# Altium PCB Fastino-DIOT.PCBDOC (part 14 of 22) (continued)
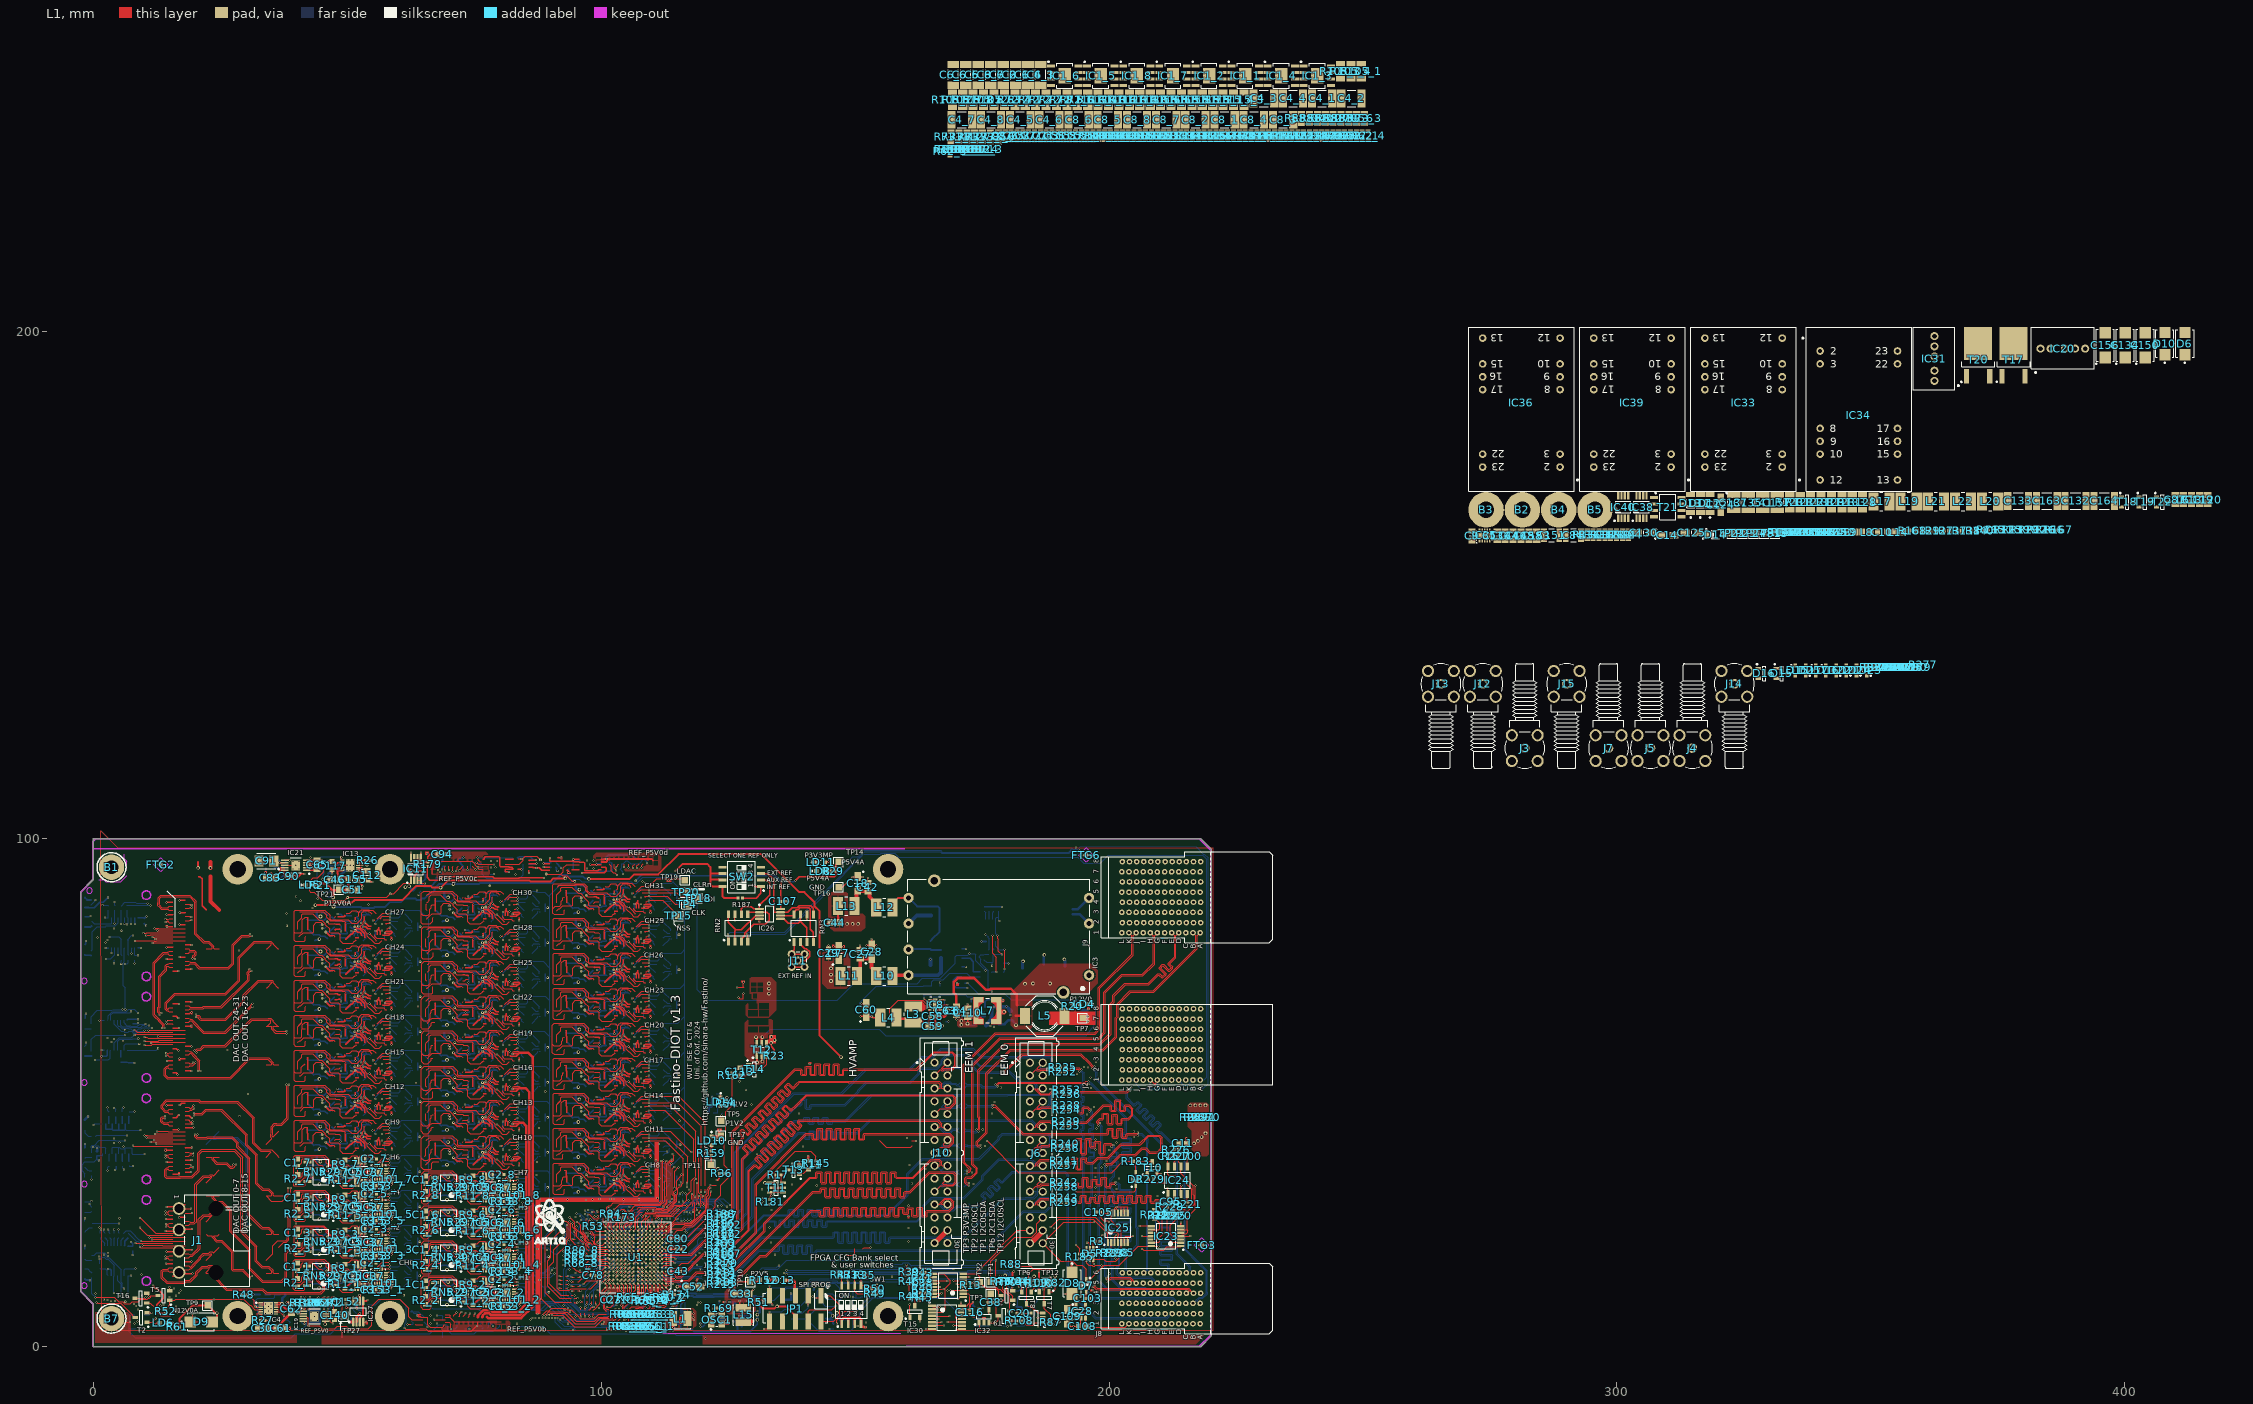
[diagram p0: L1 view]
## Nets (pads, with @x,y where several pads share a name; then routed paths per layer and width w, separated by ;. In a path a pad name is that pad's centre, name@x,y a point inside that pad or via, vN(x,y) a via of type N, cw(c..) or ccw(c..) an arc to the next point about the centre after c; other vN are vias at no path point) (continued)
76.106,55.147 77.013,55.147 77.125,55.035 77.125,54.966 77.359,54.731 ; 74.939,61.577 74.99,61.526 75.599,61.526 76.106,62.033 77.013,62.033 77.125,61.922 77.125,61.852 77.359,61.618 ; 74.939,68.464 74.99,68.413 75.599,68.413 76.106,68.92 77.013,68.92 77.125,68.808 77.125,68.739 77.359,68.504 ; 74.939,75.333 74.989,75.282 75.599,75.282 76.106,75.789 77.013,75.789 77.125,75.677 77.125,75.608 77.359,75.374 ; 74.939,82.219 74.989,82.169 75.599,82.169 76.106,82.676 77.013,82.676 77.125,82.564 77.125,82.495 77.359,82.26 ; 74.939,89.106 74.989,89.055 75.599,89.055 76.106,89.562 77.013,89.562 77.125,89.451 77.125,89.381 77.359,89.147 ; v1@75.641,96.101 75.752,95.99 75.752,95.8 75.889,95.663 75.959,95.663 76.117,95.504 76.327,95.504 ; 76.561,74.493 76.613,74.441 ; 76.561,81.38 76.613,81.328 ; 76.561,88.266 76.613,88.215 ; 76.561,40.077 76.613,40.026 ; 76.561,46.964 76.613,46.912 ; 76.561,53.851 76.613,53.799 ; 76.561,60.737 76.613,60.686 ; 76.561,67.624 76.613,67.572 ; v2@76.691,37.53 v2@76.742,37.53 ; v2@76.691,44.417 v2@76.742,44.417 ; v2@76.691,51.303 v2@76.742,51.303 ; v2@76.691,58.19 v2@76.742,58.19 ; v2@76.691,65.076 v2@76.742,65.076 ; v2@76.691,71.946 v2@76.741,71.946 ; v2@76.691,78.832 v2@76.741,78.832 ; v2@76.691,85.719 v2@76.741,85.719 ; 76.788,35.627 76.871,35.544 ; 76.788,42.514 76.871,42.431 ; 76.788,49.4 76.871,49.318 ; 76.788,56.287 76.871,56.204 ; 76.788,63.174 76.871,63.091 ; 76.788,70.043 76.871,69.96 ; 76.788,76.929 76.871,76.847 ; 76.788,83.816 76.871,83.733 ; 77.198,74.687 77.359,74.849 77.359,75.374 ; 77.198,81.574 77.359,81.735 77.359,82.26 ; 77.198,88.46 77.359,88.622 77.359,89.147 ; 77.198,40.271 77.359,40.433 77.359,40.958 ; 77.198,47.158 77.359,47.32 77.359,47.845 ; 77.198,54.045 77.359,54.206 77.359,54.731 ; 77.198,60.931 77.359,61.093 77.359,61.618 ; 77.198,67.818 77.359,67.979 77.359,68.504 ; 78.498,39.509 78.498,40.271 78.659,40.433 ; 78.498,46.396 78.498,47.158 78.659,47.32 ; 78.498,53.282 78.498,54.045 78.659,54.206 ; 78.498,60.169 78.498,60.931 78.659,61.093 ; 78.498,67.055 78.498,67.818 78.659,67.979 ; 78.498,73.925 78.498,74.687 78.659,74.849 ; 78.498,80.811 78.498,81.574 78.659,81.735 ; 78.498,87.698 78.498,88.46 78.659,88.622 ; 79.555,72.793 79.714,72.793 ; 79.555,79.679 79.714,79.679 ; 79.555,86.566 79.714,86.566 ; 79.555,38.377 79.714,38.377 ; 79.555,45.264 79.714,45.264 ; 79.555,52.15 79.714,52.15 ; 79.555,59.037 79.714,59.037 ; 79.555,65.924 79.714,65.924 ; 79.714,38.403 79.79,38.403 ; 79.714,45.289 79.79,45.289 ; 79.714,52.176 79.79,52.176 ; 79.714,59.062 79.79,59.062 ; 79.714,65.949 79.79,65.949 ; 79.714,72.818 79.79,72.818 ; 79.714,79.705 79.79,79.705 ; 79.714,86.591 79.79,86.591 ; 79.968,40.765 79.722,41.011 79.722,41.08 79.572,41.229 79.361,41.229 79.217,41.373 78.355,41.373 78.244,41.262 78.244,41.192 78.009,40.958 78.009,39.908 77.775,39.673 77.775,39.604 77.081,38.911 75.987,38.911 75.258,39.639 71.824,39.639 71.713,39.751 71.713,40.486 70.697,41.501 65.123,41.501 64.541,40.919 64.541,37.122 ; 79.968,47.651 79.722,47.898 79.722,47.966 79.572,48.116 79.361,48.116 79.217,48.26 78.355,48.26 78.244,48.148 78.244,48.079 78.009,47.845 78.009,46.795 77.775,46.56 77.775,46.491 77.081,45.797 75.987,45.797 75.258,46.526 71.824,46.526 71.713,46.638 71.713,47.372 70.769,48.316 65.054,48.316 64.541,47.803 64.541,43.891 ; 79.968,54.538 79.722,54.785 79.722,54.853 79.572,55.003 79.361,55.003 79.217,55.147 78.355,55.147 78.244,55.035 78.244,54.966 78.009,54.731 78.009,53.681 77.775,53.447 77.775,53.377 77.081,52.684 75.987,52.684 75.258,53.413 71.824,53.413 71.713,53.524 71.713,54.259 70.746,55.226 65.162,55.226 64.592,54.656 64.592,50.844 ; 79.968,61.425 79.722,61.671 79.722,61.74 79.572,61.889 79.361,61.889 79.217,62.033 78.355,62.033 78.244,61.922 78.244,61.852 78.009,61.618 78.009,60.568 77.775,60.333 77.775,60.264 77.081,59.57 75.987,59.57 75.258,60.299 71.824,60.299 71.713,60.411 71.713,61.146 70.697,62.161 65.184,62.161 64.668,61.646 64.668,57.655 ; 79.968,68.311 79.722,68.558 79.722,68.626 79.572,68.776 79.361,68.776 79.217,68.92 78.355,68.92 78.244,68.808 78.244,68.739 78.009,68.504 78.009,67.454 77.775,67.22 77.775,67.15 77.081,66.457 75.987,66.457 75.258,67.186 71.824,67.186 71.713,67.297 71.713,68.032 70.697,69.048 65.211,69.048 64.765,68.602 64.765,68.58 64.516,68.331 64.516,64.668 ; 79.968,75.18 79.721,75.427 79.721,75.495 79.572,75.645 79.361,75.645 79.217,75.789 78.355,75.789 78.244,75.677 78.244,75.608 78.009,75.374 78.009,74.324 77.775,74.089 77.775,74.02 77.081,73.326 75.986,73.326 75.258,74.055 71.824,74.055 71.713,74.167 71.713,74.901 70.697,75.917 65.097,75.917 64.618,75.438 64.618,71.399 ; 79.968,82.067 79.721,82.314 79.721,82.382 79.572,82.532 79.361,82.532 79.217,82.676 78.355,82.676 78.244,82.564 78.244,82.495 78.009,82.26 78.009,81.21 77.775,80.976 77.775,80.906 77.081,80.213 75.986,80.213 75.258,80.942 71.824,80.942 71.713,81.053 71.713,81.788 70.794,82.707 70.535,82.707 70.514,82.727 65.049,82.727 64.618,82.296 64.618,78.283 ; 79.968,88.954 79.721,89.2 79.721,89.268 79.572,89.418 79.361,89.418 79.217,89.562 78.355,89.562 78.244,89.451 78.244,89.381 78.009,89.147 78.009,88.097 77.775,87.862 77.775,87.793 77.081,87.099 75.986,87.099 75.258,87.828 71.824,87.828 71.713,87.94 71.713,88.675 70.697,89.69 66.671,89.69 66.583,89.602 66.259,89.602 66.171,89.69 65.001,89.69 64.541,89.23 64.541,85.242 ; 79.992,35.471 80.403,35.06 80.403,35.053 ; 79.992,42.358 80.403,41.947 80.403,41.94 ; 79.992,49.244 80.403,48.833 80.403,48.826 ; 79.992,56.131 80.403,55.72 80.403,55.713 ; 79.992,63.018 80.403,62.607 80.403,62.599 ; 79.992,69.887 80.403,69.476 80.403,69.469 ; 79.992,76.773 80.403,76.362 80.403,76.355 ; 79.992,83.66 80.403,83.249 80.403,83.242 ; 80.56,36.402 80.56,36.622 ; v3@80.56,38.933 v3@80.695,38.799 ; 80.56,43.289 80.56,43.508 ; v3@80.56,45.82 v3@80.695,45.685 ; 80.56,50.176 80.56,50.395 ; v3@80.56,52.707 v3@80.695,52.572 ; 80.56,57.062 80.56,57.282 ; v3@80.56,59.593 v3@80.695,59.458 ; 80.56,63.949 80.56,64.168 ; v3@80.56,66.48 v3@80.695,66.345 ; 80.56,70.818 80.56,71.037 ; v3@80.56,73.349 v3@80.695,73.214 ; 80.56,77.705 80.56,77.924 ; v3@80.56,80.236 v3@80.695,80.101 ; 80.56,84.591 80.56,84.811 ; v3@80.56,87.122 v3@80.695,86.987 ; 80.806,40.943 80.69,40.943 80.131,41.501 79.448,41.501 79.322,41.627 77.959,41.627 77.594,41.262 77.594,41.192 77.359,40.958 ; 80.806,47.829 80.69,47.829 80.131,48.388 79.448,48.388 79.322,48.514 77.959,48.514 77.594,48.148 77.594,48.079 77.359,47.845 ; 80.806,54.716 80.69,54.716 80.131,55.275 79.448,55.275 79.322,55.401 77.959,55.401 77.594,55.035 77.594,54.966 77.359,54.731 ; 80.806,61.602 80.69,61.602 80.131,62.161 79.448,62.161 79.322,62.287 77.959,62.287 77.594,61.922 77.594,61.852 77.359,61.618 ; 80.806,68.489 80.69,68.489 80.131,69.048 79.448,69.048 79.322,69.174 77.959,69.174 77.594,68.808 77.594,68.739 77.359,68.504 ; 80.806,75.358 80.69,75.358 80.131,75.917 79.448,75.917 79.322,76.043 77.959,76.043 77.594,75.677 77.594,75.608 77.359,75.374 ; 80.806,82.245 80.69,82.245 80.131,82.804 79.448,82.804 79.322,82.93 77.959,82.93 77.594,82.564 77.594,82.495 77.359,82.26 ; 80.806,89.131 80.69,89.131 80.131,89.69 79.448,89.69 79.322,89.816 77.959,89.816 77.594,89.451 77.594,89.381 77.359,89.147 ; 81.035,39.828 82.099,40.892 v1(83.499,40.892) ; 81.035,46.715 82.099,47.778 v1(83.499,47.778) ; 81.035,53.601 82.099,54.665 v1(83.499,54.665) ; 81.035,60.488 82.099,61.552 v1(83.499,61.552) ; 81.035,67.374 82.099,68.438 v1(83.499,68.438) ; 81.035,74.244 82.099,75.307 v1(83.498,75.307) ; 81.035,81.13 82.099,82.194 v1(83.498,82.194) ; 81.035,88.017 82.099,89.081 83.397,89.081 v1(83.448,89.03) ; 81.851,35.471 81.851,35.451 ; 81.851,42.358 81.851,42.338 ; 81.851,49.244 81.851,49.224 ; 81.851,56.131 81.851,56.111 ; 81.851,63.018 81.851,62.998 ; 81.851,69.887 81.851,69.867 ; 81.851,76.773 81.851,76.753 ; 81.851,83.66 81.851,83.64 ; 82.178,39.647 v1(83.499,39.647) ; 82.178,46.534 v1(83.499,46.534) ; 82.178,53.42 v1(83.499,53.42) ; 82.178,60.307 v1(83.499,60.307) ; 82.178,67.194 v1(83.499,67.194) ; 82.178,74.063 v1(83.498,74.063) ; 82.178,80.949 v1(83.498,80.949) ; 82.178,87.836 v1(83.498,87.836) ; 82.56,37.292 82.64,37.372 82.81,37.372 ; 82.56,44.179 82.64,44.258 82.81,44.258 ; 82.56,51.065 82.64,51.145 82.81,51.145 ; 82.56,57.952 82.64,58.032 82.81,58.032 ; 82.56,64.838 82.64,64.918 82.81,64.918 ; 82.56,71.708 82.64,71.787 82.81,71.787 ; 82.56,78.594 82.64,78.674 82.81,78.674 ; 82.56,85.481 82.64,85.561 82.81,85.561 ; 82.608,35.674 82.855,35.674 ; 82.608,42.561 82.855,42.561 ; 82.608,49.448 82.855,49.448 ; 82.608,56.334 82.855,56.334 ; 82.608,63.221 82.855,63.221 ; 82.608,70.09 82.855,70.09 ; 82.608,76.977 82.855,76.977 ; 82.608,83.863 82.855,83.863 ; 82.737,38.86 82.782,38.905 v1@83.343,38.905 ; 82.737,45.746 82.782,45.792 v1@83.343,45.792 ; 82.737,52.633 82.782,52.678 v1@83.343,52.678 ; 82.737,59.52 82.782,59.565 v1@83.343,59.565 ; 82.737,66.406 82.782,66.451 v1@83.343,66.451 ; 82.736,73.275 82.782,73.321 v1@83.343,73.321 ; 82.736,80.162 82.782,80.207 v1@83.343,80.207 ; 82.736,87.049 82.782,87.094 v1@83.343,87.094 ; 82.81,38.872 82.843,38.839 ; 82.81,45.758 82.843,45.725 ; 82.81,52.645 82.843,52.612 ; 82.81,59.532 82.843,59.499 ; 82.81,66.418 82.843,66.385 ; 82.81,73.287 82.843,73.254 ; 82.81,80.174 82.843,80.141 ; 82.81,87.061 82.843,87.028 ; 82.889,37.895 83.13,37.895 83.306,38.071 83.446,38.071 v1(83.499,38.123) ; 82.889,44.781 83.13,44.781 v1@83.306,44.958 ; 82.889,51.668 83.13,51.668 83.306,51.844 83.446,51.844 v1(83.499,51.896) ; 82.889,58.554 83.13,58.554 83.306,58.731 83.446,58.731 v1(83.499,58.783) ; 82.889,65.441 83.13,65.441 83.306,65.617 83.446,65.617 v1(83.499,65.67) ; 82.889,72.31 83.13,72.31 v1@83.306,72.487 ; 82.889,79.197 83.13,79.197 83.306,79.373 83.446,79.373 v1(83.498,79.425) ; 82.889,86.083 83.13,86.083 v1@83.306,86.26 ; v1(83.82,35.7) 83.82,36.324 ; v1(83.82,42.586) 83.82,43.21 ; v1(83.82,49.473) 83.82,50.097 ; v1(83.82,56.36) 83.82,56.984 ; v1(83.82,63.246) 83.82,63.87 ; v1(83.82,70.115) 83.82,70.739 ; v1(83.82,77.002) 83.82,77.626 ; v1(83.82,83.906) 83.82,84.513 ; v1(88.392,6.147) 89.316,7.071 89.773,7.071 90.281,7.579 92.948,7.579 93.297,7.23 93.672,7.23 93.691,7.248 94.142,7.248 95.336,6.055 95.336,6.042 95.901,5.477 98.638,5.477 99.484,6.323 100.954,6.323 100.954,6.31 101.016,6.248 ; v1(89.027,6.147) 89.697,6.817 92.605,6.817 92.624,6.798 93.277,6.798 95.05,5.025 98.7,5.025 99.476,5.801 101.33,5.801 101.742,6.212 101.767,6.212 101.803,6.248 ; v1@89.687,6.198 90.052,6.563 92.5,6.563 92.519,6.544 92.846,6.544 94.89,4.5 98.75,4.5 99.797,5.547 102.194,5.547 102.636,5.989 102.636,6.26 ; v1(90.272,6.172) 92.453,6.172 94.675,3.95 98.85,3.95 100.193,5.293 102.758,5.293 103.429,5.963 103.429,6.248 ; v1(90.704,23.101) 89.25,21.646 89.25,21.122 88.941,20.814 88.941,10.582 90.823,8.7 94.125,8.7 ; 90.857,64.442 92.525,64.442 92.702,64.62 92.702,65.28 92.829,65.407 ; 90.907,64.44 90.774,64.44 90.564,64.65 90.564,66.25 ; 91.211,50.669 92.525,50.669 92.702,50.847 92.702,51.507 92.829,51.634 ; 91.211,50.673 90.768,50.673 90.564,50.877 90.564,52.477 ; 91.628,90.822 91.389,90.583 91.389,90.504 91.429,90.543 91.706,90.82 ; 91.666,35.807 94.874,35.807 94.878,35.811 96.235,35.811 96.915,35.132 96.915,34.705 97.594,34.025 99.901,34.025 99.949,33.977 100.393,33.977 100.653,33.718 ; 91.666,42.694 94.874,42.694 94.878,42.698 96.235,42.698 96.915,42.018 96.915,41.591 97.594,40.912 99.901,40.912 99.949,40.864 100.393,40.864 100.653,40.604 ; 91.666,49.58 94.874,49.58 94.878,49.584 96.235,49.584 96.915,48.905 96.915,48.478 97.594,47.798 99.901,47.798 99.949,47.75 100.393,47.75 100.653,47.491 ; 91.666,56.467 94.874,56.467 94.878,56.471 96.235,56.471 96.915,55.791 96.915,55.364 97.594,54.685 99.901,54.685 99.949,54.637 100.393,54.637 100.653,54.378 ; 91.666,63.353 94.874,63.353 94.878,63.357 96.235,63.357 96.915,62.678 96.915,62.251 97.594,61.571 99.901,61.571 99.949,61.524 100.393,61.524 100.653,61.264 ; 91.666,70.24 94.874,70.24 94.878,70.244 96.235,70.244 96.915,69.565 96.915,69.137 97.594,68.458 99.901,68.458 99.949,68.41 100.393,68.41 100.653,68.151 ; 91.666,77.127 94.874,77.127 94.878,77.131 96.235,77.131 96.915,76.451 96.915,76.024 97.594,75.345 99.901,75.345 99.949,75.297 100.393,75.297 100.653,75.037 ; 91.666,84.013 94.874,84.013 94.878,84.017 96.235,84.017 96.915,83.338 96.915,82.911 97.594,82.231 99.901,82.231 99.949,82.183 100.393,82.183 100.653,81.924 ; 91.666,90.9 94.874,90.9 94.878,90.904 96.389,90.904 96.915,90.378 96.915,89.797 97.594,89.118 99.901,89.118 99.949,89.07 100.393,89.07 100.653,88.81 ; v1(91.745,13.081) 91.757,13.068 92.342,13.068 ; v1(91.745,13.868) 91.758,13.881 92.367,13.881 ; v1(91.77,12.294) 91.783,12.281 92.342,12.281 ; v1(91.821,11.557) 91.872,11.506 92.253,11.506 ; 92.14,87.654 92.442,87.955 92.442,88.356 92.592,88.506 92.702,88.506 ; 92.151,87.655 92.151,87.065 91.839,86.753 90.949,86.753 90.449,86.253 ; 92.38,60.35 92.188,60.158 92.188,59.606 91.833,59.252 90.676,59.252 90.399,59.529 ; 92.382,60.349 92.442,60.409 92.442,60.809 92.592,60.959 92.702,60.959 ; v1(92.48,23.276) 90.065,20.862 90.065,17.543 89.425,16.902 89.425,11.9 91.825,9.5 94.1,9.5 ; v1(92.532,17.907) 92.558,17.932 93.091,17.932 ; v1(92.554,16.049) 92.581,16.076 93.191,16.076 93.218,16.104 ; v1(92.558,17.04) 92.58,17.018 93.116,17.018 ; 92.558,37.922 92.442,37.806 92.442,37.12 92.304,36.982 90.685,36.982 90.564,37.104 90.564,38.704 ; v1(92.608,18.771) 92.634,18.745 93.091,18.745 ; 92.634,53.95 92.468,53.95 92.442,53.923 92.442,53.555 92.188,53.301 92.188,52.72 91.833,52.365 90.676,52.365 90.564,52.477 ; 92.678,34.77 93.153,34.77 ; 92.678,55.429 93.153,55.429 ; v1(92.705,24.751) 92.757,24.699 93.076,24.699 93.667,24.108 93.667,21.39 93.188,20.911 93.188,19.995 91.354,18.161 91.354,11.471 91.761,11.065 93.737,11.065 94.047,11.375 97.025,11.375 ; 92.829,30.975 92.702,30.848 92.702,30.187 92.525,30.009 90.721,30.009 90.564,30.166 90.564,31.817 ; 92.829,44.748 92.702,44.621 92.702,43.96 92.525,43.783 90.772,43.783 90.564,43.99 90.564,45.59 ; 92.829,58.521 92.702,58.394 92.702,57.733 92.525,57.556 90.721,57.556 90.399,57.878 90.399,59.529 ; 92.829,72.294 92.702,72.167 92.702,71.507 92.525,71.329 90.721,71.329 90.564,71.486 90.564,73.137 ; 92.829,79.181 92.702,79.054 92.702,78.393 92.525,78.215 90.721,78.215 90.628,78.309 90.564,78.371 90.564,80.023 ; 92.829,86.067 92.702,85.94 92.702,85.28 92.525,85.102 90.857,85.102 90.721,85.102 90.449,85.374 90.449,86.253 ; 93.041,62.204 93.153,62.316 ; 93.041,89.75 93.153,89.862 ; 93.066,33.477 92.656,33.477 92.442,33.263 92.442,32.904 92.188,32.65 92.188,32.06 91.833,31.706 90.676,31.706 90.564,31.817 ; 93.153,41.656 92.678,41.656 92.138,41.116 92.138,38.896 91.833,38.592 90.676,38.592 90.564,38.704 ; 93.153,48.543 92.678,48.543 92.138,48.002 92.138,45.783 91.833,45.479 90.676,45.479 90.564,45.59 ; 93.153,69.203 92.678,69.203 92.138,68.662 92.138,66.443 91.786,66.091 90.723,66.091 90.564,66.25 ; 93.153,76.089 92.678,76.089 92.138,75.549 92.138,73.329 91.833,73.025 90.676,73.025 90.564,73.137 ; 93.153,82.976 92.678,82.976 92.138,82.435 92.138,80.216 91.833,79.912 90.676,79.912 90.564,80.023 ; v1(93.276,23.947) 93.276,21.676 90.625,19.025 90.625,16.7 89.757,15.832 89.757,12.343 92,10.1 93.65,10.1 ; v1(93.743,24.589) 93.743,24.515 93.969,24.289 93.969,21.002 95.127,19.844 96.447,19.844 96.821,19.47 96.821,18.606 97.29,18.137 97.29,17.903 97.469,17.725 97.575,17.725 ; v1(93.8,25.45) 94.775,24.475 94.775,23.443 96.135,22.083 96.144,22.083 96.465,21.762 96.465,21.539 96.74,21.264 96.74,20.881 97.206,20.415 97.206,20.041 97.329,19.919 97.329,19.746 97.575,19.5 97.625,19.5 ; v1(94.132,12.802) 94.158,12.776 94.59,12.776 ; v1(94.158,11.913) 94.17,11.9 94.704,11.9 ; v1(94.183,13.691) 94.196,13.678 94.602,13.678 94.64,13.64 ; v1(94.209,10.984) 94.228,11.004 94.646,11.004 94.666,11.024 ; v1(94.36,24.257) 94.36,23.468 95.216,22.612 95.216,21.638 96.188,20.665 96.489,20.665 96.952,20.202 96.952,19.936 97.075,19.814 97.075,19.275 97.5,18.85 97.55,18.85 ; v1(94.635,22.641) 94.635,22.619 94.9,22.353 94.9,21.725 ; v1(95.91,8.865) 96.368,8.865 ; v1(95.987,5.944) 95.987,6.553 ; v1(96.799,5.969) 96.799,6.603 ; v2(97.029,54.49) 97.385,54.134 98.553,54.134 ; v2(97.029,61.376) 97.385,61.021 98.553,61.021 ; v2(97.029,68.263) 97.385,67.907 98.553,67.907 ; v2(97.029,75.149) 97.385,74.794 98.553,74.794 ; v2(97.029,82.036) 97.385,81.68 98.553,81.68 ; v2(97.029,88.923) 97.385,88.567 98.553,88.567 ; v1(97.055,25.126) 97.055,24.094 96.467,23.507 96.467,22.478 96.973,21.972 96.973,21.749 97.248,21.474 97.248,21.252 97.525,20.975 97.575,20.975 ; v1(97.13,8.306) 97.13,8.38 97.257,8.507 97.257,8.94 ; v1(97.4,26.05) 97.656,26.05 98.506,25.2 99.369,25.2 99.508,25.338 99.788,25.338 99.85,25.4 ; 97.428,31.196 98.317,31.196 98.553,30.96 ; 97.428,38.083 98.317,38.083 98.553,37.846 ; 97.428,44.969 98.317,44.969 98.553,44.733 ; 97.428,51.856 98.317,51.856 98.553,51.619 ; 97.428,58.742 98.317,58.742 98.553,58.506 ; 97.428,65.629 98.317,65.629 98.553,65.393 ; 97.428,72.516 98.317,72.516 98.553,72.279 ; 97.428,79.402 98.317,79.402 98.553,79.166 ; 97.428,86.289 98.317,86.289 98.553,86.052 ; 97.475,23.8 97.475,24.666 v1(97.836,25.027) ; v1(97.663,5.918) 97.663,6.401 ; v1(97.917,8.255) 97.917,8.329 98.146,8.557 98.146,8.828 98.12,8.854 98.12,8.865 ; v1(98.175,26.525) 98.179,26.529 98.7,26.529 98.704,26.533 ; 98.463,6.566 98.463,5.88 v1(98.476,5.867) ; 98.553,32.23 98.697,32.373 99.442,32.373 99.603,32.535 ; 98.553,34.77 98.737,34.953 ; 98.553,39.116 98.697,39.26 99.442,39.26 99.603,39.421 ; 98.553,41.656 98.737,41.84 ; 98.553,46.003 98.697,46.146 99.571,46.146 99.732,46.308 ; 98.553,48.543 98.737,48.726 ; 98.553,52.889 98.697,53.033 99.571,53.033 99.732,53.194 ; 98.553,54.159 98.697,54.016 99.571,54.016 99.732,53.854 ; 98.553,55.429 98.737,55.613 ; 98.553,59.776 98.655,59.878 99.518,59.878 99.68,60.039 ; 98.553,62.316 98.737,62.499 ; 98.553,66.663 98.79,66.899 99.526,66.899 99.548,66.921 99.576,66.892 ; 98.553,69.203 98.737,69.386 ; 98.553,73.549 98.655,73.651 99.518,73.651 99.519,73.664 99.534,73.678 99.534,73.727 99.695,73.889 ; 98.553,76.089 98.737,76.273 ; 98.553,80.436 98.655,80.538 99.518,80.538 99.68,80.699 ; 98.553,81.706 98.738,81.521 99.518,81.521 99.68,81.359 ; 98.553,82.976 98.737,83.159 ; 98.553,87.322 98.79,87.559 99.526,87.559 99.547,87.581 ; 98.553,89.862 98.737,90.046 ; 98.933,8.814 98.933,8.357 v1(98.984,8.306) ; v1(99.156,26.652) 99.209,26.6 99.557,26.6 99.619,26.538 99.619,26.533 ; v1(100.075,26.55) 100.515,26.55 100.533,26.568 ; 100.364,34.953 100.592,34.953 100.678,35.039 ; 100.364,41.84 100.592,41.84 100.678,41.925 ; 100.364,48.726 100.592,48.726 100.678,48.812 ; 100.364,55.613 100.592,55.613 100.678,55.698 ; 100.364,62.499 100.592,62.499 100.678,62.585 ; 100.364,69.386 100.592,69.386 100.678,69.471 ; 100.364,76.273 100.592,76.273 100.678,76.358 ; 100.364,83.159 100.592,83.159 100.678,83.245 ; 100.364,90.046 100.592,90.046 100.678,90.131 ; 100.814,35.557 100.865,35.506 101.474,35.506 101.981,36.013 102.888,36.013 103,35.902 103,35.832 103.234,35.598 ; 100.814,42.444 100.865,42.393 101.474,42.393 101.981,42.9 102.888,42.9 103,42.788 103,42.719 103.234,42.484 ; 100.814,49.33 100.865,49.279 101.474,49.279 101.981,49.786 102.888,49.786 103,49.675 103,49.605 103.234,49.371 ; 100.814,56.217 100.865,56.166 101.474,56.166 101.981,56.673 102.888,56.673 103,56.561 103,56.492 103.234,56.258 ; 100.814,63.103 100.865,63.053 101.474,63.053 101.981,63.56 102.888,63.56 103,63.448 103,63.379 103.234,63.144 ; 100.814,69.99 100.865,69.939 101.474,69.939 101.981,70.446 102.888,70.446 103,70.335 103,70.265 103.234,70.031 ; 100.814,76.877 100.865,76.826 101.474,76.826 101.981,77.333 102.888,77.333 103,77.221 103,77.152 103.234,76.917 ; 100.814,83.763 100.865,83.712 101.474,83.712 101.981,84.219 102.888,84.219 103,84.108 103,84.038 103.234,83.804 ; 100.814,90.65 100.865,90.599 101.474,90.599 101.981,91.106 102.888,91.106 103,90.994 103,90.925 103.234,90.69 ; 101.092,3.734 101.092,3.274 v1(101.117,3.249) ; 101.125,26.637 101.084,26.678 101.084,27.412 101.44,27.767 101.867,27.767 102.392,28.292 111.437,28.292 111.815,28.671 111.815,36.467 v1(111.755,36.527) ; 101.995,3.785 102.006,3.774 v1(102.006,3.249) ; 102.436,34.717 102.488,34.666 ; 102.436,41.604 102.488,41.552 ; 102.436,48.49 102.488,48.439 ; 102.436,55.377 102.488,55.325 ; 102.436,62.264 102.488,62.212 ; 102.436,69.15 102.488,69.099 ; 102.436,76.037 102.488,75.985 ; 102.436,82.923 102.488,82.872 ; 102.436,89.81 102.488,89.758 ; v1(102.53,26.951) 103.617,28.038 111.542,28.038 112.15,28.646 112.15,36.471 v1(112.305,36.627) ; v2@102.566,32.17 v2@102.617,32.17 ; v2@102.566,39.056 v2@102.617,39.056 ; v2@102.566,45.943 v2@102.617,45.943 ; v2@102.566,52.83 v2@102.617,52.83 ; v2@102.566,59.716 v2@102.617,59.716 ; v2@102.566,66.603 v2@102.617,66.603 ; v2@102.566,73.489 v2@102.617,73.489 ; v2@102.566,80.376 v2@102.617,80.376 ; v2@102.566,87.263 v2@102.617,87.263 ; 102.663,30.267 102.746,30.184 ; 102.663,37.154 102.746,37.071 ; 102.663,44.04 102.746,43.957 ; 102.663,50.927 102.746,50.844 ; 102.663,57.813 102.746,57.731 ; 102.663,64.7 102.746,64.617 ; 102.663,71.587 102.746,71.504 ; 102.663,78.473 102.746,78.39 ; 102.663,85.36 102.746,85.277 ; v1(102.87,3.249) 102.854,3.264 102.854,3.81 102.88,3.835 ; 103.073,34.911 103.234,35.073 103.234,35.598 ; 103.073,41.798 103.234,41.959 103.234,42.484 ; 103.073,48.684 103.234,48.846 103.234,49.371 ; 103.073,55.571 103.234,55.733 103.234,56.258 ; 103.073,62.458 103.234,62.619 103.234,63.144 ; 103.073,69.344 103.234,69.506 103.234,70.031 ; 103.073,76.231 103.234,76.392 103.234,76.917 ; 103.073,83.117 103.234,83.279 103.234,83.804 ; 103.073,90.004 103.234,90.165 103.234,90.69 ; v1(103.632,3.249) 103.632,3.785 ; 103.8,26.225 103.85,26.225 104.099,25.976 104.813,25.976 105.23,25.559 v1(105.23,25.126) ; 103.8,26.825 103.85,26.825 104.05,27.025 104.452,27.025 104.812,26.666 104.812,26.573 v1(105.223,26.161) ; 104.373,34.149 104.373,34.911 104.534,35.073 ; 104.373,41.035 104.373,41.798 104.534,41.959 ; 104.373,47.922 104.373,48.684 104.534,48.846 ; 104.373,54.809 104.373,55.571 104.534,55.733 ; 104.373,61.695 104.373,62.458 104.534,62.619 ; 104.373,68.582 104.373,69.344 104.534,69.506 ; 104.373,75.468 104.373,76.231 104.534,76.392 ; 104.373,82.355 104.373,83.117 104.534,83.279 ; 104.373,89.242 104.373,90.004 104.534,90.165 ; 105.43,33.017 105.589,33.017 ; 105.43,39.904 105.589,39.904 ; 105.43,46.79 105.589,46.79 ; 105.43,53.677 105.589,53.677 ; 105.43,60.563 105.589,60.563 ; 105.43,67.45 105.589,67.45 ; 105.43,74.337 105.589,74.337 ; 105.43,81.223 105.589,81.223 ; 105.43,88.11 105.589,88.11 ; 105.589,33.042 105.665,33.042 ; 105.589,39.929 105.665,39.929 ; 105.589,46.816 105.665,46.816 ; 105.589,53.702 105.665,53.702 ; 105.589,60.589 105.665,60.589 ; 105.589,67.475 105.665,67.475 ; 105.589,74.362 105.665,74.362 ; 105.589,81.249 105.665,81.249 ; 105.589,88.135 105.665,88.135 ; 105.675,26.025 105.715,26.065 105.715,26.785 106.715,27.784 111.647,27.784 112.527,28.664 112.527,32.539 112.559,32.572 112.559,36.234 v1(112.85,36.525) ; 105.843,35.405 105.596,35.651 105.596,35.719 105.447,35.869 105.236,35.869 105.092,36.013 104.23,36.013 104.119,35.902 104.119,35.832 103.884,35.598 103.884,34.548 103.65,34.313 103.65,34.244 102.956,33.55 101.862,33.55 101.133,34.279 97.699,34.279 97.588,34.391 97.588,35.126 96.572,36.141 90.781,36.141 90.564,35.924 90.564,31.817 ; 105.843,42.291 105.596,42.538 105.596,42.608 105.448,42.756 105.236,42.756 105.092,42.9 104.23,42.9 104.119,42.788 104.119,42.719 103.884,42.484 103.884,41.434 103.65,41.2 103.65,41.13 102.956,40.437 101.862,40.437 101.133,41.166 97.699,41.166 97.588,41.277 97.588,42.012 96.572,43.028 90.781,43.028 90.564,42.811 90.564,38.704 ; 105.843,49.178 105.596,49.424 105.596,49.494 105.448,49.642 105.236,49.642 105.092,49.786 104.23,49.786 104.119,49.675 104.119,49.605 103.884,49.371 103.884,48.321 103.65,48.086 103.65,48.017 102.956,47.324 101.862,47.324 101.133,48.052 97.699,48.052 97.588,48.164 97.588,48.899 96.572,49.914 90.781,49.914 90.564,49.698 90.564,45.59 ; 105.843,56.064 105.596,56.311 105.596,56.379 105.447,56.529 105.236,56.529 105.092,56.673 104.23,56.673 104.119,56.561 104.119,56.492 103.884,56.258 103.884,55.208 103.65,54.973 103.65,54.904 102.956,54.21 101.862,54.21 101.133,54.939 97.699,54.939 97.588,55.05 97.588,55.785 96.572,56.801 90.781,56.801 90.564,56.584 90.564,52.477 ; 105.843,62.951 105.596,63.197 105.596,63.267 105.448,63.416 105.236,63.416 105.092,63.56 104.23,63.56 104.119,63.448 104.119,63.379 103.884,63.144 103.884,62.094 103.65,61.86 103.65,61.79 102.956,61.097 101.862,61.097 101.133,61.825 97.699,61.825 97.588,61.937 97.588,62.672 96.572,63.688 90.781,63.688 90.399,63.305 90.399,59.529 ; 105.843,69.838 105.596,70.084 105.596,70.152 105.447,70.302 105.236,70.302 105.092,70.446 104.23,70.446 104.119,70.335 104.119,70.265 103.884,70.031 103.884,68.981 103.65,68.746 103.65,68.677 102.956,67.983 101.862,67.983 101.133,68.712 97.699,68.712 97.588,68.824 97.588,69.558 96.572,70.574 90.781,70.574 90.564,70.357 90.564,66.25 ; 105.843,76.724 105.596,76.971 105.596,77.039 105.447,77.189 105.236,77.189 105.092,77.333 104.23,77.333 104.119,77.221 104.119,77.152 103.884,76.917 103.884,75.867 103.65,75.633 103.65,75.563 102.956,74.87 101.862,74.87 101.133,75.599 97.699,75.599 97.588,75.71 97.588,76.445 96.572,77.461 90.781,77.461 90.564,77.244 90.564,73.137 ; 105.843,83.611 105.596,83.857 105.596,83.926 105.447,84.075 105.236,84.075 105.092,84.219 104.23,84.219 104.119,84.108 104.119,84.038 103.884,83.804 103.884,82.754 103.65,82.519 103.65,82.45 102.956,81.757 101.862,81.757 101.133,82.485 97.699,82.485 97.588,82.597 97.588,83.332 96.572,84.347 90.781,84.347 90.564,84.131 90.564,80.023 ; 105.843,90.497 105.596,90.744 105.596,90.884 105.518,90.962 105.236,90.962 105.092,91.106 104.23,91.106 104.119,90.994 104.119,90.925 103.884,90.69 103.884,89.64 103.65,89.406 103.65,89.337 102.956,88.643 101.862,88.643 101.133,89.372 97.699,89.372 97.275,89.796 97.275,90.531 96.629,91.177 93.187,91.177 93.178,91.186 90.733,91.186 90.449,90.902 90.449,86.253 ; 105.867,30.111 106.278,29.7 106.278,29.693 106.368,29.603 107.238,29.603 107.726,30.091 107.726,30.111 ; 105.867,36.998 106.278,36.587 106.278,36.579 106.368,36.49 107.238,36.49 107.726,36.978 107.726,36.998 ; 105.867,43.884 106.278,43.473 106.278,43.466 106.368,43.376 107.238,43.376 107.726,43.864 107.726,43.884 ; 105.867,50.771 106.278,50.36 106.278,50.353 106.368,50.263 107.238,50.263 107.726,50.751 107.726,50.771 ; 105.867,57.657 106.278,57.246 106.278,57.239 106.368,57.149 107.238,57.149 107.726,57.637 107.726,57.657 ; 105.867,64.544 106.278,64.133 106.278,64.126 106.368,64.036 107.238,64.036 107.726,64.524 107.726,64.544 ; 105.867,71.43 106.278,71.019 106.278,71.012 ; 105.867,78.317 106.278,77.906 106.278,77.899 ; 105.867,85.204 106.278,84.793 106.278,84.785 ; 106.435,31.042 106.435,31.262 ; v3@106.435,33.573 v3@106.57,33.438 ; 106.435,37.929 106.435,38.148 ; v3@106.435,40.46 v3@106.57,40.325 ; 106.435,44.815 106.435,45.035 ; v3@106.435,47.346 v3@106.57,47.212 ; 106.435,51.702 106.435,51.921 ; v3@106.435,54.233 v3@106.57,54.098 ; 106.435,58.589 106.435,58.808 ; v3@106.435,61.119 v3@106.57,60.985 ; 106.435,65.475 106.435,65.695 ; v3@106.435,68.006 v3@106.57,67.871 ; 106.435,72.362 106.435,72.581 ; v3@106.435,74.893 v3@106.57,74.758 ; 106.435,79.248 106.435,79.468 ; v3@106.435,81.779 v3@106.57,81.644 ; 106.435,86.135 106.435,86.354 ; v3@106.435,88.666 v3@106.57,88.531 ; 106.681,35.582 106.565,35.582 106.006,36.141 105.323,36.141 105.197,36.267 103.834,36.267 103.469,35.902 103.469,35.832 103.234,35.598 ; 106.681,42.469 106.565,42.469 106.006,43.028 105.323,43.028 105.197,43.154 103.834,43.154 103.469,42.788 103.469,42.719 103.234,42.484 ; 106.681,49.356 106.565,49.356 106.006,49.914 105.323,49.914 105.197,50.04 103.834,50.04 103.469,49.675 103.469,49.605 103.234,49.371 ; 106.681,56.242 106.565,56.242 106.006,56.801 105.323,56.801 105.197,56.927 103.834,56.927 103.469,56.561 103.469,56.492 103.234,56.258